# Altium PCB KeyBoard.PcbDoc
Units mil, origin at the board's own origin, x right, y up, seen from the top; angles counter-clockwise.
Board outline 13688.05 x 4950.78 mil, 2 copper layers (Top Layer, Bottom Layer); 207 components, 148 nets, 600 pads, 378 vias.
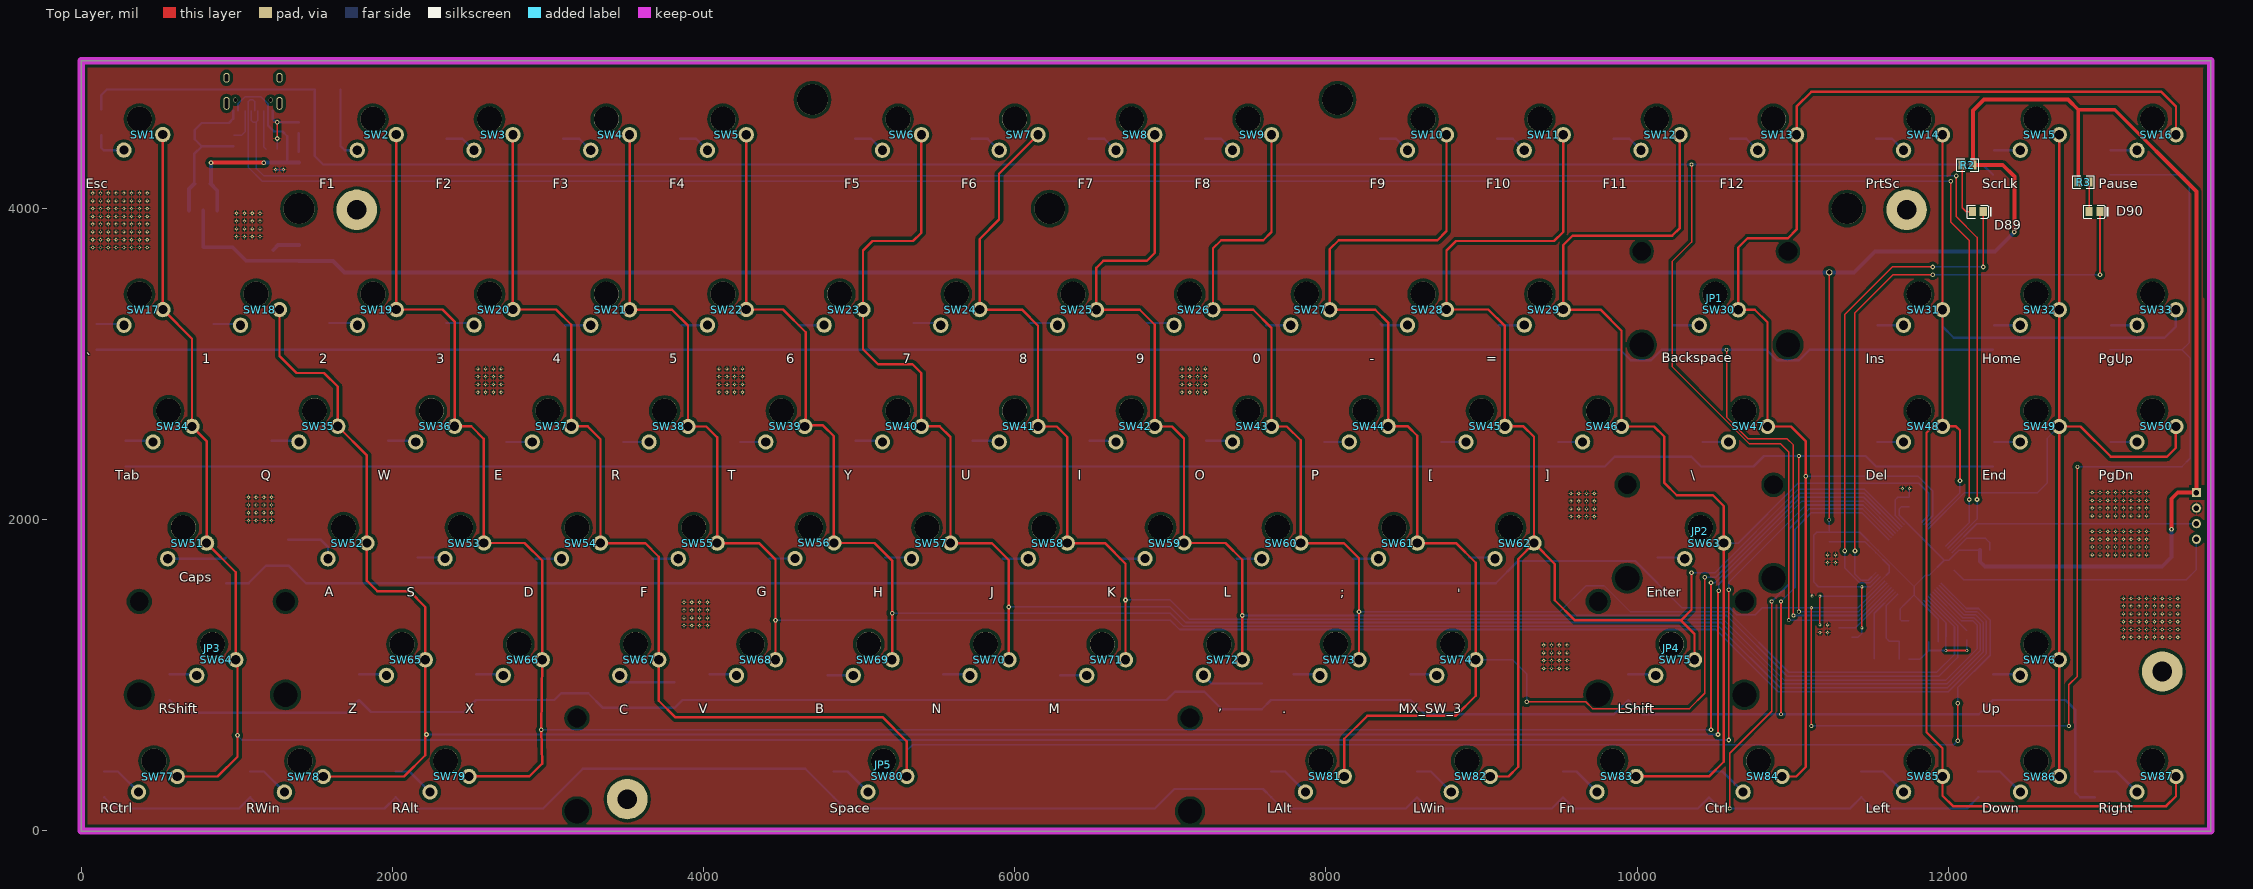
[diagram p0: Top Layer view]
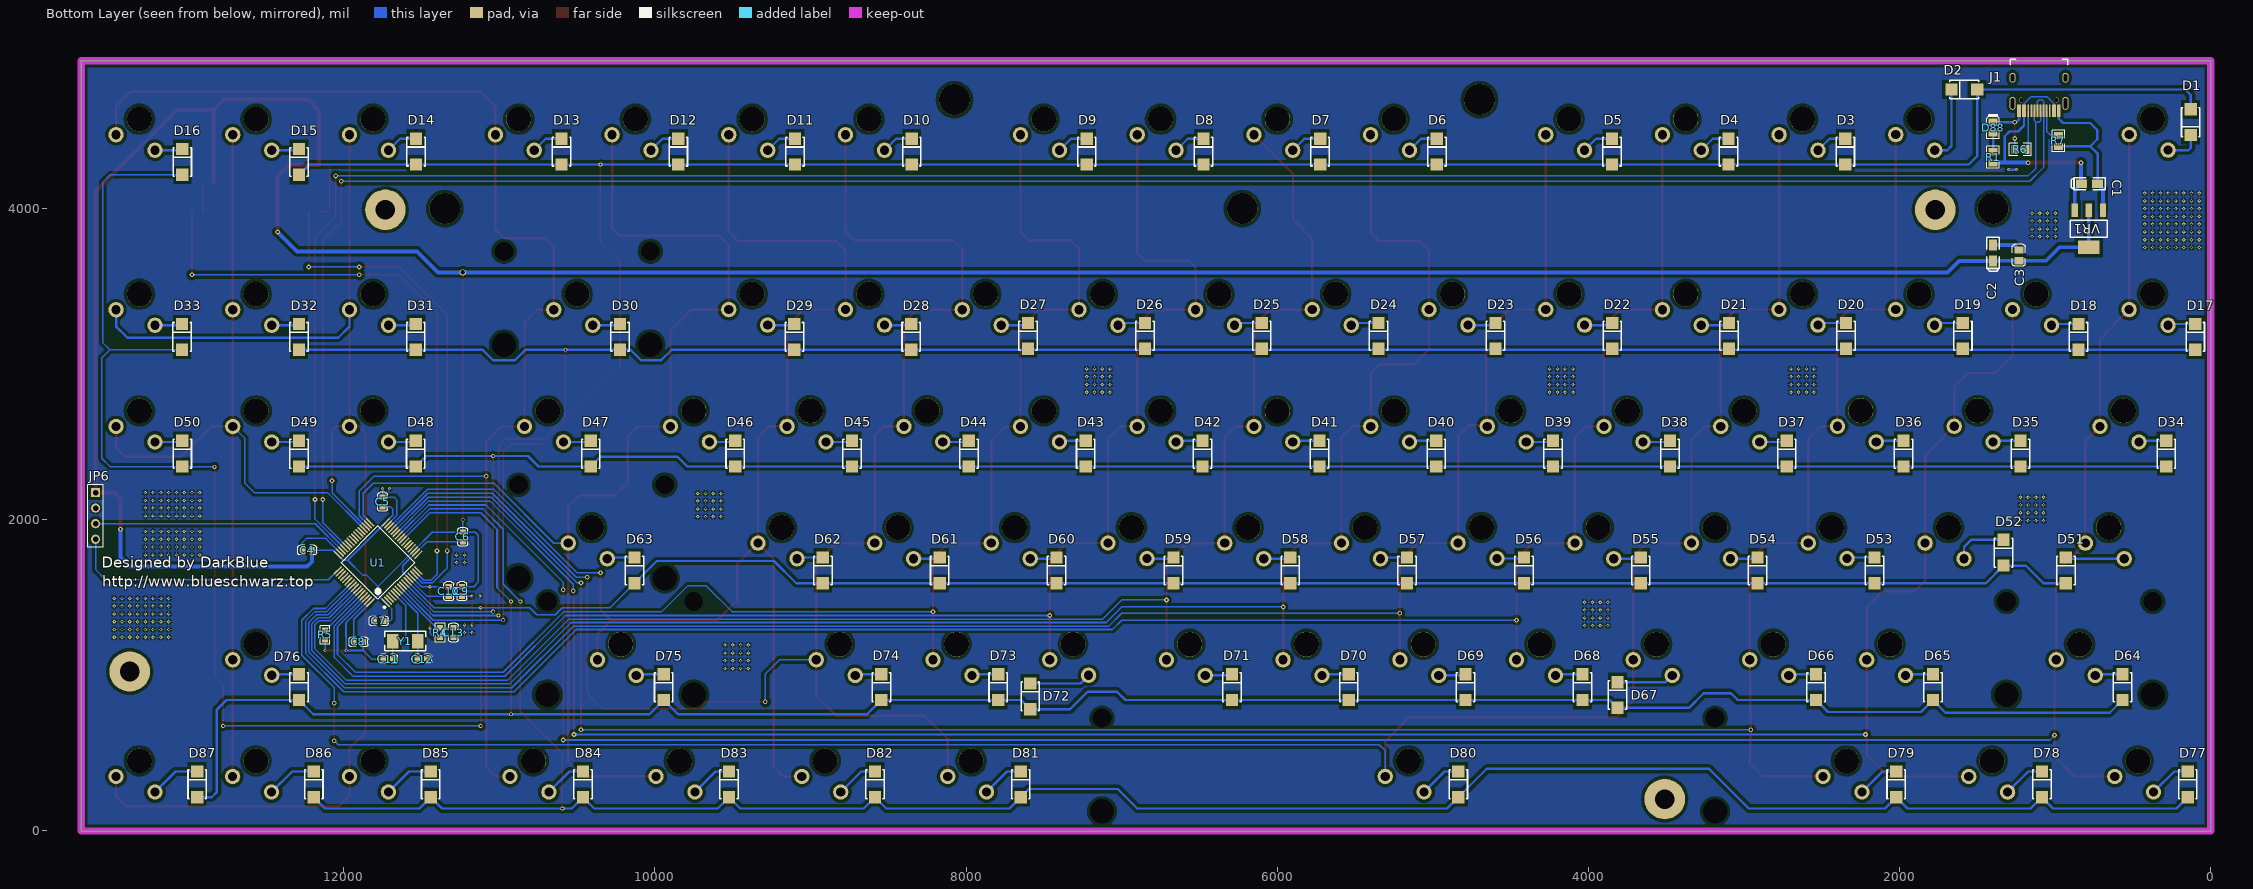
[diagram p1: Bottom Layer view, seen from below]

## Layer stack, top to bottom
Top Solder: solder mask 0.4, Solder Resist, Dk 3.5
Top Layer: signal copper 1.4
Dielectric 1: dielectric 12.6, FR-4, Dk 4.8
Bottom Layer: signal copper 1.4
Bottom Solder: solder mask 0.4, Solder Resist, Dk 3.5

## Board outline
-0.26,0 ccw(c0,0) 0,-0.26 13687.52,-0.26 ccw(c13687.52,0) 13687.78,0 13687.78,4950.25 ccw(c13687.52,4950.25) 13687.52,4950.51 0,4950.51 ccw(c0,4950.25) -0.26,4950.25

## Design rules (kind name [scope] priority, off if disabled: settings)
Clearance [All] p1: gap=5 ignorepadtopadclearanceinfootprint=FALSE except(0: Arc-Hole Track-Hole SMDPad-Hole THPad-Hole Via-Hole Fill-Hole Poly-Hole Region-Hole Text-Hole)
ComponentClearance [All] p1 off: gap=10 collisioncheckmode=3 verticalgap=10 showdistances=FALSE
PolygonConnect [All] p1: connectstyle=Relief reliefconductorwidth=10 reliefentries=4 polygonreliefangle="90 Angle" airgapwidth=10
RoutingVias [All] p1: holewidth=15 width=30 viastyle="Through Hole" minholewidth=5 minwidth=10 maxholewidth=300 maxwidth=300
SolderMaskExpansion [All] p1: expansion=4
Width [All] p1: maxlimit=50 minlimit=5 preferedwidth=10
29 further rules are at their usual default settings.

## Components (designator, comment, footprint, x,y, rotation, side; value= is the part's Value field where it differs from the comment)
C1 "10uF (106) ±10% 16V" CASE-A_3216 779.76,4160 r0 bottom
C2 "10uF (106) ±10% 16V" CASE-A_3216 1399.76,3715 r270 bottom
C3 "100nF(104) 10% 50V" 0805_C 1234.76,3700 r270 bottom
C4 "100nF (104) 10% 50V" 0603_C 12234.76,1805 r180 bottom
C5 "100nF (104) 10% 50V" 0603_C 11750,2115 r270 bottom
C6 "100nF (104) 10% 50V" 0603_C 11234.76,1890 r90 bottom
C7 "100nF (104) 10% 50V" 0603_C 11774.76,1350 r180 bottom
C8 "4.7uF (475) 10% 16V" 0603_C 11905,1215 r0 bottom
C9 "10nF (103) 10% 50V" 0603_C 11239.76,1540 r90 bottom
C10 "1uF (105) 10% 50V" 0603_C 11324.76,1540 r90 bottom
C11 "22pF (220) 5% 50V" 0603_C 11714.76,1105 r0 bottom
C12 "22pF (220) 5% 50V" 0603_C 11494.76,1105 r180 bottom
C13 "100nF (104) 10% 50V" 0603_C 11294.76,1275 r270 bottom
D1 "M7" SMA(DO-214AC)_S1 129.76,4555 r90 bottom
D2 "M7" SMA(DO-214AC)_S1 1584.76,4765 r180 bottom
D3 "M7" SMA(DO-214AC)_S1 2349.56,4366.34 r270 bottom
D4 "M7" SMA(DO-214AC)_S1 3099.56,4366.34 r270 bottom
D5 "M7" SMA(DO-214AC)_S1 3849.46,4366.34 r270 bottom
D6 "M7" SMA(DO-214AC)_S1 4974.46,4366.34 r270 bottom
D7 "M7" SMA(DO-214AC)_S1 5724.56,4366.34 r270 bottom
D8 "M7" SMA(DO-214AC)_S1 6474.56,4366.34 r270 bottom
D9 "M7" SMA(DO-214AC)_S1 7224.56,4366.34 r270 bottom
D10 "M7" SMA(DO-214AC)_S1 8349.16,4366.34 r270 bottom
D11 "M7" SMA(DO-214AC)_S1 9099.26,4366.34 r270 bottom
D12 "M7" SMA(DO-214AC)_S1 9849.36,4366.34 r270 bottom
D13 "M7" SMA(DO-214AC)_S1 10599.36,4366.34 r270 bottom
D14 "M7" SMA(DO-214AC)_S1 11534.76,4366.34 r270 bottom
D15 "M7" SMA(DO-214AC)_S1 12286.96,4299.8 r270 bottom
D16 "M7" SMA(DO-214AC)_S1 13036.96,4299.8 r270 bottom
D17 "M7" SMA(DO-214AC)_S1 100.06,3175.4 r270 bottom
D18 "M7" SMA(DO-214AC)_S1 850.96,3175.4 r270 bottom
D19 "M7" SMA(DO-214AC)_S1 1594.56,3182.2 r270 bottom
D20 "M7" SMA(DO-214AC)_S1 2345.46,3182.2 r270 bottom
D21 "M7" SMA(DO-214AC)_S1 3096.36,3182.2 r270 bottom
D22 "M7" SMA(DO-214AC)_S1 3847.26,3182.2 r270 bottom
D23 "M7" SMA(DO-214AC)_S1 4598.16,3182.2 r270 bottom
D24 "M7" SMA(DO-214AC)_S1 5349.06,3182.2 r270 bottom
D25 "M7" SMA(DO-214AC)_S1 6099.96,3182.2 r270 bottom
D26 "M7" SMA(DO-214AC)_S1 6850.96,3182.2 r270 bottom
D27 "M7" SMA(DO-214AC)_S1 7601.76,3182.2 r270 bottom
D28 "M7" SMA(DO-214AC)_S1 8352.66,3175.4 r270 bottom
D29 "M7" SMA(DO-214AC)_S1 9103.56,3175.4 r270 bottom
D30 "M7" SMA(DO-214AC)_S1 10223.96,3175.4 r270 bottom
D31 "M7" SMA(DO-214AC)_S1 11536.76,3175.4 r270 bottom
D32 "M7" SMA(DO-214AC)_S1 12287.66,3175.4 r270 bottom
D33 "M7" SMA(DO-214AC)_S1 13038.56,3175.4 r270 bottom
D34 "M7" SMA(DO-214AC)_S1 287.06,2425 r270 bottom
D35 "M7" SMA(DO-214AC)_S1 1224.06,2425 r270 bottom
D36 "M7" SMA(DO-214AC)_S1 1974.96,2425 r270 bottom
D37 "M7" SMA(DO-214AC)_S1 2725.86,2425 r270 bottom
D38 "M7" SMA(DO-214AC)_S1 3476.76,2425 r270 bottom
D39 "M7" SMA(DO-214AC)_S1 4227.66,2425 r270 bottom
D40 "M7" SMA(DO-214AC)_S1 4978.56,2425 r270 bottom
D41 "M7" SMA(DO-214AC)_S1 5729.46,2425 r270 bottom
D42 "M7" SMA(DO-214AC)_S1 6480.36,2425 r270 bottom
D43 "M7" SMA(DO-214AC)_S1 7231.26,2425 r270 bottom
D44 "M7" SMA(DO-214AC)_S1 7982.16,2425 r270 bottom
D45 "M7" SMA(DO-214AC)_S1 8733.06,2425 r270 bottom
D46 "M7" SMA(DO-214AC)_S1 9483.96,2425 r270 bottom
D47 "M7" SMA(DO-214AC)_S1 10412.26,2425 r270 bottom
D48 "M7" SMA(DO-214AC)_S1 11537.06,2425 r270 bottom
D49 "M7" SMA(DO-214AC)_S1 12286.86,2425 r270 bottom
D50 "M7" SMA(DO-214AC)_S1 13037.06,2425 r270 bottom
D51 "M7" SMA(DO-214AC)_S1 932.06,1674.5 r270 bottom
D52 "M7" SMA(DO-214AC)_S1 1332.16,1788.4 r270 bottom
D53 "M7" SMA(DO-214AC)_S1 2162.36,1674.5 r270 bottom
D54 "M7" SMA(DO-214AC)_S1 2913.26,1674.5 r270 bottom
D55 "M7" SMA(DO-214AC)_S1 3664.16,1674.5 r270 bottom
D56 "M7" SMA(DO-214AC)_S1 4415.06,1674.5 r270 bottom
D57 "M7" SMA(DO-214AC)_S1 5165.96,1674.5 r270 bottom
D58 "M7" SMA(DO-214AC)_S1 5916.86,1674.5 r270 bottom
D59 "M7" SMA(DO-214AC)_S1 6667.76,1674.5 r270 bottom
D60 "M7" SMA(DO-214AC)_S1 7418.66,1674.5 r270 bottom
D61 "M7" SMA(DO-214AC)_S1 8169.56,1674.5 r270 bottom
D62 "M7" SMA(DO-214AC)_S1 8920.46,1674.5 r270 bottom
D63 "M7" SMA(DO-214AC)_S1 10131.06,1674.5 r270 bottom
D64 "M7" SMA(DO-214AC)_S1 568.26,924.3 r270 bottom
D65 "M7" SMA(DO-214AC)_S1 1786.46,924.3 r270 bottom
D66 "M7" SMA(DO-214AC)_S1 2537.36,924.3 r270 bottom
D67 "M7" SMA(DO-214AC)_S1 3813.76,874 r270 bottom
D68 "M7" SMA(DO-214AC)_S1 4039.16,924.3 r270 bottom
D69 "M7" SMA(DO-214AC)_S1 4790.06,924.3 r270 bottom
D70 "M7" SMA(DO-214AC)_S1 5540.96,924.3 r270 bottom
D71 "M7" SMA(DO-214AC)_S1 6291.86,924.3 r270 bottom
D72 "M7" SMA(DO-214AC)_S1 7587.76,865 r270 bottom
D73 "M7" SMA(DO-214AC)_S1 7793.66,924.3 r270 bottom
D74 "M7" SMA(DO-214AC)_S1 8544.56,924.3 r270 bottom
D75 "M7" SMA(DO-214AC)_S1 9943.46,924.3 r270 bottom
D76 "M7" SMA(DO-214AC)_S1 12286.66,924.3 r270 bottom
D77 "M7" SMA(DO-214AC)_S1 148.86,300 r270 bottom
D78 "M7" SMA(DO-214AC)_S1 1086.16,300 r270 bottom
D79 "M7" SMA(DO-214AC)_S1 2022.56,300 r270 bottom
D80 "M7" SMA(DO-214AC)_S1 4836.56,300 r270 bottom
D81 "M7" SMA(DO-214AC)_S1 7648.86,300 r270 bottom
D82 "M7" SMA(DO-214AC)_S1 8585.76,300 r270 bottom
D83 "M7" SMA(DO-214AC)_S1 9523.86,300 r270 bottom
D84 "M7" SMA(DO-214AC)_S1 10462.46,300 r270 bottom
D85 "M7" SMA(DO-214AC)_S1 11440.86,300 r270 bottom
D86 "M7" SMA(DO-214AC)_S1 12191.86,300 r270 bottom
D87 "M7" SMA(DO-214AC)_S1 12941.46,300 r270 bottom
D88 "白灯 0805" 0805_LED_S1 1399.76,4520 r270 bottom
D89 "白灯 0805" 0805_LED_S1 12189.76,3980 r180 top
D90 "白灯 0805" 0805_LED_S1 12939.76,3980 r180 top
J1 "USB Type-C 16Pin" "USB Type-C 16Pin" 1104.76,4640 r0 bottom
JP1 "Satellite_Backspace" 1x2 10499.56,3450.3 r0 top
JP2 "Satellite_Enter" 1x2 10406.66,1950 r0 top
JP3 "Satellite_L_Shift" 1x2 843.66,1200 r0 top
JP4 "Satellite_R_Shift" 1x2 10220.06,1200.3 r0 top
JP5 "Satellite_Space" 1x6.25 5156.66,450.8 r0 top
JP6 "Download" HDR1X4 13594.76,2175 r270 bottom
R1 "510Ω (5100) ±1%" 0805_R 1399.76,4330 r90 bottom
R2 "510Ω (5100) ±1%" 0805_R 12124.76,4280 r180 top
R3 "510Ω (5100) ±1%" 0805_R 12869.76,4170 r0 top
R4 "10KΩ (1002) ±1%" 0603_R 11379.76,1275 r270 bottom
R5 "10KΩ (1002) ±1%" 0603_R 12119.76,1260 r270 bottom
R6 "5.1KΩ (5101) ±1%" 0805_R 1224.76,4380 r180 bottom
R7 "5.1KΩ (5101) ±1%" 0805_R 979.76,4435 r90 bottom
SW1 "Esc" MX_SW_3 375.06,4575.6 r0 top
SW2 "F1" MX_SW_3 1875.26,4575.2 r0 top
SW3 "F2" MX_SW_3 2624.86,4575.1 r0 top
SW4 "F3" MX_SW_3 3374.96,4575 r0 top
SW5 "F4" MX_SW_3 4125.06,4575 r0 top
SW6 "F5" MX_SW_3 5250.06,4574.8 r0 top
SW7 "F6" MX_SW_3 6000.16,4574.9 r0 top
SW8 "F7" MX_SW_3 6750.16,4574.9 r0 top
SW9 "F8" MX_SW_3 7500.26,4574.8 r0 top
SW10 "F9" MX_SW_3 8624.86,4574.8 r0 top
SW11 "F10" MX_SW_3 9374.86,4574.8 r0 top
SW12 "F11" MX_SW_3 10124.96,4574.8 r0 top
SW13 "F12" MX_SW_3 10875.06,4574.8 r0 top
SW14 "PrtSc" MX_SW_3 11812.66,4574.8 r0 top
SW15 "ScrLk" MX_SW_3 12562.86,4574.9 r0 top
SW16 "Pause" MX_SW_3 13312.76,4575.1 r0 top
SW17 "`" MX_SW_3 375.46,3450.7 r0 top
SW18 "1" MX_SW_3 1124.56,3450.8 r0 top
SW19 "2" MX_SW_3 1875.66,3450.7 r0 top
SW20 "3" MX_SW_3 2625.66,3451 r0 top
SW21 "4" MX_SW_3 3375.06,3450.4 r0 top
SW22 "5" MX_SW_3 4124.76,3451 r0 top
SW23 "6" MX_SW_3 4875.26,3450.9 r0 top
SW24 "7" MX_SW_3 5624.86,3450.8 r0 top
SW25 "8" MX_SW_3 6374.96,3450.4 r0 top
SW26 "9" MX_SW_3 7124.56,3450.4 r0 top
SW27 "0" MX_SW_3 7874.36,3450.4 r0 top
SW28 "-" MX_SW_3 8624.86,3451 r0 top
SW29 "=" MX_SW_3 9374.96,3450.9 r0 top
SW30 "Backspace" MX_SW_3 10499.56,3450.3 r0 top
SW31 "Ins" MX_SW_3 11812.36,3450.4 r0 top
SW32 "Home" MX_SW_3 12562.46,3450.1 r0 top
SW33 "PgUp" MX_SW_3 13312.56,3450.4 r0 top
SW34 "Tab" MX_SW_3 562.66,2700.5 r0 top
SW35 "Q" MX_SW_3 1499.76,2700.6 r0 top
SW36 "W" MX_SW_3 2250.26,2700.6 r0 top
SW37 "E" MX_SW_3 2999.86,2700.2 r0 top
SW38 "R" MX_SW_3 3750.26,2700.1 r0 top
SW39 "T" MX_SW_3 4500.26,2700.5 r0 top
SW40 "Y" MX_SW_3 5249.96,2700.2 r0 top
SW41 "U" MX_SW_3 6000.16,2700.1 r0 top
SW42 "I" MX_SW_3 6750.16,2700.1 r0 top
SW43 "O" MX_SW_3 7500.26,2700.1 r0 top
SW44 "P" MX_SW_3 8249.96,2700.3 r0 top
SW45 "[" MX_SW_3 9000.26,2700.5 r0 top
SW46 "]" MX_SW_3 9749.96,2700.1 r0 top
SW47 "\" MX_SW_3 10687.66,2700 r0 top
SW48 "Del" MX_SW_3 11812.46,2700.4 r0 top
SW49 "End" MX_SW_3 12562.36,2700.1 r0 top
SW50 "PgDn" MX_SW_3 13312.66,2700.1 r0 top
SW51 "Caps" MX_SW_3 656.56,1950 r0 top
SW52 "A" MX_SW_3 1686.56,1950.1 r0 top
SW53 "S" MX_SW_3 2438.16,1950.5 r0 top
SW54 "D" MX_SW_3 3187.56,1950.1 r0 top
SW55 "F" MX_SW_3 3937.56,1950.1 r0 top
SW56 "G" MX_SW_3 4687.96,1951 r0 top
SW57 "H" MX_SW_3 5437.06,1950.1 r0 top
SW58 "J" MX_SW_3 6187.56,1950 r0 top
SW59 "K" MX_SW_3 6937.76,1950.7 r0 top
SW60 "L" MX_SW_3 7687.86,1950.1 r0 top
SW61 ";" MX_SW_3 8437.26,1950 r0 top
SW62 "'" MX_SW_3 9187.16,1950 r0 top
SW63 "Enter" MX_SW_3 10406.66,1950 r0 top
SW64 "RShift" MX_SW_3 843.66,1200 r0 top
SW65 "Z" MX_SW_3 2062.06,1200 r0 top
SW66 "X" MX_SW_3 2813.06,1200.1 r0 top
SW67 "C" MX_SW_3 3562.16,1200 r0 top
SW68 "V" MX_SW_3 4312.26,1200 r0 top
SW69 "B" MX_SW_3 5062.26,1200.1 r0 top
SW70 "N" MX_SW_3 5812.36,1200.1 r0 top
SW71 "M" MX_SW_3 6562.46,1200 r0 top
SW72 "," MX_SW_3 7312.56,1200.4 r0 top
SW73 "." MX_SW_3 8062.16,1200.2 r0 top
SW74 "MX_SW_3" MX_SW_3 8812.46,1200.3 r0 top
SW75 "LShift" MX_SW_3 10219.26,1200.3 r0 top
SW76 "Up" MX_SW_3 12562.56,1200.6 r0 top
SW77 "RCtrl" MX_SW_3 468.46,450.2 r0 top
SW78 "RWin" MX_SW_3 1406.36,449.9 r0 top
SW79 "RAlt" MX_SW_3 2342.66,450.8 r0 top
SW80 "Space" MX_SW_3 5156.66,450.8 r0 top
SW81 "LAlt" MX_SW_3 7968.26,450.8 r0 top
SW82 "LWin" MX_SW_3 8905.56,450.5 r0 top
SW83 "Fn" MX_SW_3 9842.76,450.8 r0 top
SW84 "Ctrl" MX_SW_3 10781.46,450.5 r0 top
SW85 "Left" MX_SW_3 11812.76,450.8 r0 top
SW86 "Down" MX_SW_3 12563.66,450.2 r0 top
SW87 "Right" MX_SW_3 13313.06,450.5 r0 top
U1 "STM32F103R8T6" LQFP-64_10x10x05P 11779.76,1725 r135 bottom
VR1 "AMS1117-3.3" SOT-223 784.76,3870 r90 bottom
Y1 "8MHz ±20ppm 20pF" SMD-5032_2P 11604.76,1220 r0 bottom

## Footprints (in the part's own frame and the unit in brackets; to place one, negate y for a bottom-side part, rotate by r counter-clockwise, add the part's x,y. Pads: shape width x height; smd on the part's side, far side on the other; paste and mask are expansions set on the pad)
1x2 [mil] "stab"
  round 0 hole 120: 0(-470,275) 3(470,275)
  round 0 hole 157: 1(-470,-325) 4(470,-325)
1x6.25 [mil] "stab"
  round 0 hole 120: 0(1970,275) 3(-1970,275)
  round 0 hole 157: 1(1970,-325) 4(-1970,-325)
0603_C [mm]
  rect 0.93x0.98 smd: 1(-0.77,0) 2(0.77,0)
  silkscreen extent -1.53,-0.79 1.54,0.79, body extent -0.8,-0.4 0.8,0.4, height 0.3
0603_R [mm]
  rect 0.93x0.98 smd: 1(-0.77,0) 2(0.77,0)
  silkscreen extent -1.53,-0.79 1.54,0.79, body extent -0.85,-0.4 0.85,0.4, height 0.56
0805_C [mm]
  rect 1.16x1.47 smd: 1(-0.89,0) 2(0.89,0)
  silkscreen extent -1.77,-1.04 1.77,1.04, body extent -1,-0.63 1,0.62, height 0.77
0805_LED_S1 [mm]
  rect 1.16x1.47 smd: A(0.89,0) K(-0.89,0)
  silkscreen extent -2.25,-1.04 1.77,1.03, body extent -1.01,-0.63 1.01,0.62, height 1.1
0805_R [mm]
  rect 1.16x1.47 smd: 1(-0.89,0) 2(0.89,0)
  silkscreen extent -1.77,-1.04 1.77,1.03, body extent -1,-0.62 1,0.62, height 0.49
CASE-A_3216 [mm]
  rect 1.8x1.35 smd: 1(1.31,0) 2(-1.31,0)
  silkscreen extent -2.54,-1 2.97,1, body extent -1.7,-0.84 1.7,0.84, height 1.71
HDR1X4 [mm] "Connector; Header; 4 Position"
  rect 1.5x1.5 hole 0.9: 1(0,0)
  round 1.5 hole 0.9: 2(2.54,0) 3(5.08,0) 4(7.62,0)
  silkscreen extent -1.27,-1.27 8.89,1.27
LQFP-64_10x10x05P [mm]
  oval 0.28x1.8 smd mask+0.051: 1(-3.75,-5.55) 2(-3.25,-5.55) 3(-2.75,-5.55) 4(-2.25,-5.55) 5(-1.75,-5.55) 6(-1.25,-5.55) 7(-0.75,-5.55) 8(-0.25,-5.55) 9(0.25,-5.55) 10(0.75,-5.55) 11(1.25,-5.55) 12(1.75,-5.55) 13(2.25,-5.55) 14(2.75,-5.55) 15(3.25,-5.55) 16(3.75,-5.55) 33(3.75,5.55) 34(3.25,5.55) 35(2.75,5.55) 36(2.25,5.55) 37(1.75,5.55) 38(1.25,5.55) 39(0.75,5.55) 40(0.25,5.55) 41(-0.25,5.55) 42(-0.75,5.55) 43(-1.25,5.55) 44(-1.75,5.55) 45(-2.25,5.55) 46(-2.75,5.55) 47(-3.25,5.55) 48(-3.75,5.55)
  oval 1.8x0.28 smd mask+0.051: 17(5.55,-3.75) 18(5.55,-3.25) 19(5.55,-2.75) 20(5.55,-2.25) 21(5.55,-1.75) 22(5.55,-1.25) 23(5.55,-0.75) 24(5.55,-0.25) 25(5.55,0.25) 26(5.55,0.75) 27(5.55,1.25) 28(5.55,1.75) 29(5.55,2.25) 30(5.55,2.75) 31(5.55,3.25) 32(5.55,3.75) 49(-5.55,3.75) 50(-5.55,3.25) 51(-5.55,2.75) 52(-5.55,2.25) 53(-5.55,1.75) 54(-5.55,1.25) 55(-5.55,0.75) 56(-5.55,0.25) 57(-5.55,-0.25) 58(-5.55,-0.75) 59(-5.55,-1.25) 60(-5.55,-1.75) 61(-5.55,-2.25) 62(-5.55,-2.75) 63(-5.55,-3.25) 64(-5.55,-3.75)
  silkscreen extent -4.55,-6.05 4.25,4.25
MX_SW_3 [mm] "without Fixation pins  1-Pole"
  round 2.5 hole 1.5: 1(3.81,-2.54) 2(-2.54,-5.08)
  round 4.064 hole 4.064: ""(0,0)
  body extent -9,-9 9,9, height 20.86
SMA(DO-214AC)_S1 [mm]
  rect 2x2 smd: 1(2.1,0) 2(-2.1,0)
  silkscreen extent -2.35,-1.5 2.35,1.5
SMD-5032_2P [mm]
  rect 1.9x2.4 smd: 1(-2.05,0) 2(2.05,0)
  silkscreen extent -3.32,-1.6 3.32,1.6
SOT-223 [mm]
  rect 2.2x1 smd: 1(3,-2.3) 2(3,0) 3(3,2.3)
  rect 2.2x3.5 smd: 2(-3,0)
  silkscreen extent -1.4,-3 1.4,3, body extent -3.49,-3.24 3.49,3.24, height 1.64
"USB Type-C 16Pin" [mm] "USB Type-C without USB 3.0"
  oval 1x1.6 hole 0.6 slot 1.2 at 90 deg: 0(-4.32,-5.095) 0(4.32,-5.095)
  oval 1x2.1 hole 0.6 slot 1.7 at 90 deg: 0(-4.32,-0.915) 0(4.32,-0.915)
  rect 0.6x2 smd mask+0.051: 1(-3.25,0.275) 2(-2.45,0.275) 11(2.45,0.275) 12(3.25,0.275)
  rect 0.3x2 smd mask+0.051: 3(-1.75,0.275) 4(-1.25,0.275) 5(-0.75,0.275) 6(-0.25,0.275) 7(0.25,0.275) 8(0.75,0.275) 9(1.25,0.275) 10(1.75,0.275)
  silkscreen extent -4.7,-8.15 4.7,-7.26

## Part data
C1 C2: library part "3216 10uF (106) 10% 16V", "钽电容"
C3: library part "0805 100nF(104) 10% 50V", "贴片电容"
C4 C5 C6 C7 C13: library part "0603 100nF (104) 10% 50V", "贴片电容"
C8: library part "0603 4.7uF (475) 10% 16V", "贴片电容"
C9: library part "0603 10nF (103) 10% 50V", "贴片电容"
C10: library part "0603 1uF (105) 10% 50V", "贴片电容"
C11 C12: library part "0603 22pF (220) 5% 50V", "贴片电容"
D1 D2 D3 D4 D5 D6 D7 D8 D9 D10 D11 D12 D13 D14 D15 D16 D17 D18 D19 D20 D21 D22 D23 D24 D25 D26 D27 D28 D29 D30 D31 D32 D33 D34 D35 D36 D37 D38 D39 D40 D41 D42 D43 D44 D45 D46 D47 D48 D49 D50 D51 D52 D53 D54 D55 D56 D57 D58 D59 D60 D61 D62 D63 D64 D65 D66 D67 D68 D69 D70 D71 D72 D73 D74 D75 D76 D77 D78 D79 D80 D81 D82 D83 D84 D85 D86 D87: library part "SMA(DO-214AC) M7", "二极管"
D88 D89 D90: library part "0805 白灯", "发光二极管"
JP1 JP2 JP3 JP4 JP5 JP6: library part "Header 4", "Header, 4-Pin"
R1 R2 R3: library part "0805 510Ω (5100) 1%", "贴片电阻"
R4 R5: library part "0603 10KΩ (1002) 1%", "贴片电阻"
R6 R7: library part "0805 5.1KΩ (5101) 1%", "贴片电阻"
SW1 SW2 SW3 SW4 SW5 SW6 SW7 SW8 SW9 SW10 SW11 SW12 SW13 SW14 SW15 SW16 SW17 SW18 SW19 SW20 SW21 SW22 SW23 SW24 SW25 SW26 SW27 SW28 SW29 SW30 SW31 SW32 SW33 SW34 SW35 SW36 SW37 SW38 SW39 SW40 SW41 SW42 SW43 SW44 SW45 SW46 SW47 SW48 SW49 SW50 SW51 SW52 SW53 SW54 SW55 SW56 SW57 SW58 SW59 SW60 SW61 SW62 SW63 SW64 SW65 SW66 SW67 SW68 SW69 SW70 SW71 SW72 SW73 SW75 SW76 SW77 SW78 SW79 SW80 SW81 SW82 SW83 SW84 SW85 SW86 SW87: library part MX_SW_3, "without Fixation pins  1-Pole"
SW74: "without Fixation pins  1-Pole"
U1: "ARM"
VR1: library part "SOT-223 AMS1117-3.3", "低压差线性稳压(LDO)"
Y1: library part "SMD-5032_2P 8MHz 20ppm 20pF", "贴片晶振"

## Free pads (board coordinates)
  round 198.82 hole 198.82: ""(1400,4000) ""(4700,4700) ""(6225,4000) ""(8075,4700) ""(11350,4000)
  round 259.84 hole 125.98: ""(1771.41,3992.32)
  round 259.84 hole 125.98 paste+0: ""(3510,205) ""(11732.04,3992.32) ""(13375,1025)

## Via types
v1: diameter 20, hole 10, Top Layer to Bottom Layer, 323 vias
v2: diameter 30, hole 15, Top Layer to Bottom Layer, 38 vias
v3: diameter 25, hole 15, Top Layer to Bottom Layer, 14 vias
v4: diameter 31.5, hole 25.59, Top Layer to Bottom Layer, 2 vias
v5: diameter 40, hole 30, Top Layer to Bottom Layer, 1 vias
